# Altium PCB AudioBoxAmp.PcbDoc (part 1 of 2)
Units mil, origin at the board's own origin, x right, y up, seen from the top; angles counter-clockwise.
Board outline 3622 x 3543 mil, 4 copper layers (Top Layer, GND_2, VCC_3, Bottom Layer), stack 23.756 mil thick; 198 components, 124 nets, 577 pads, 120 vias.
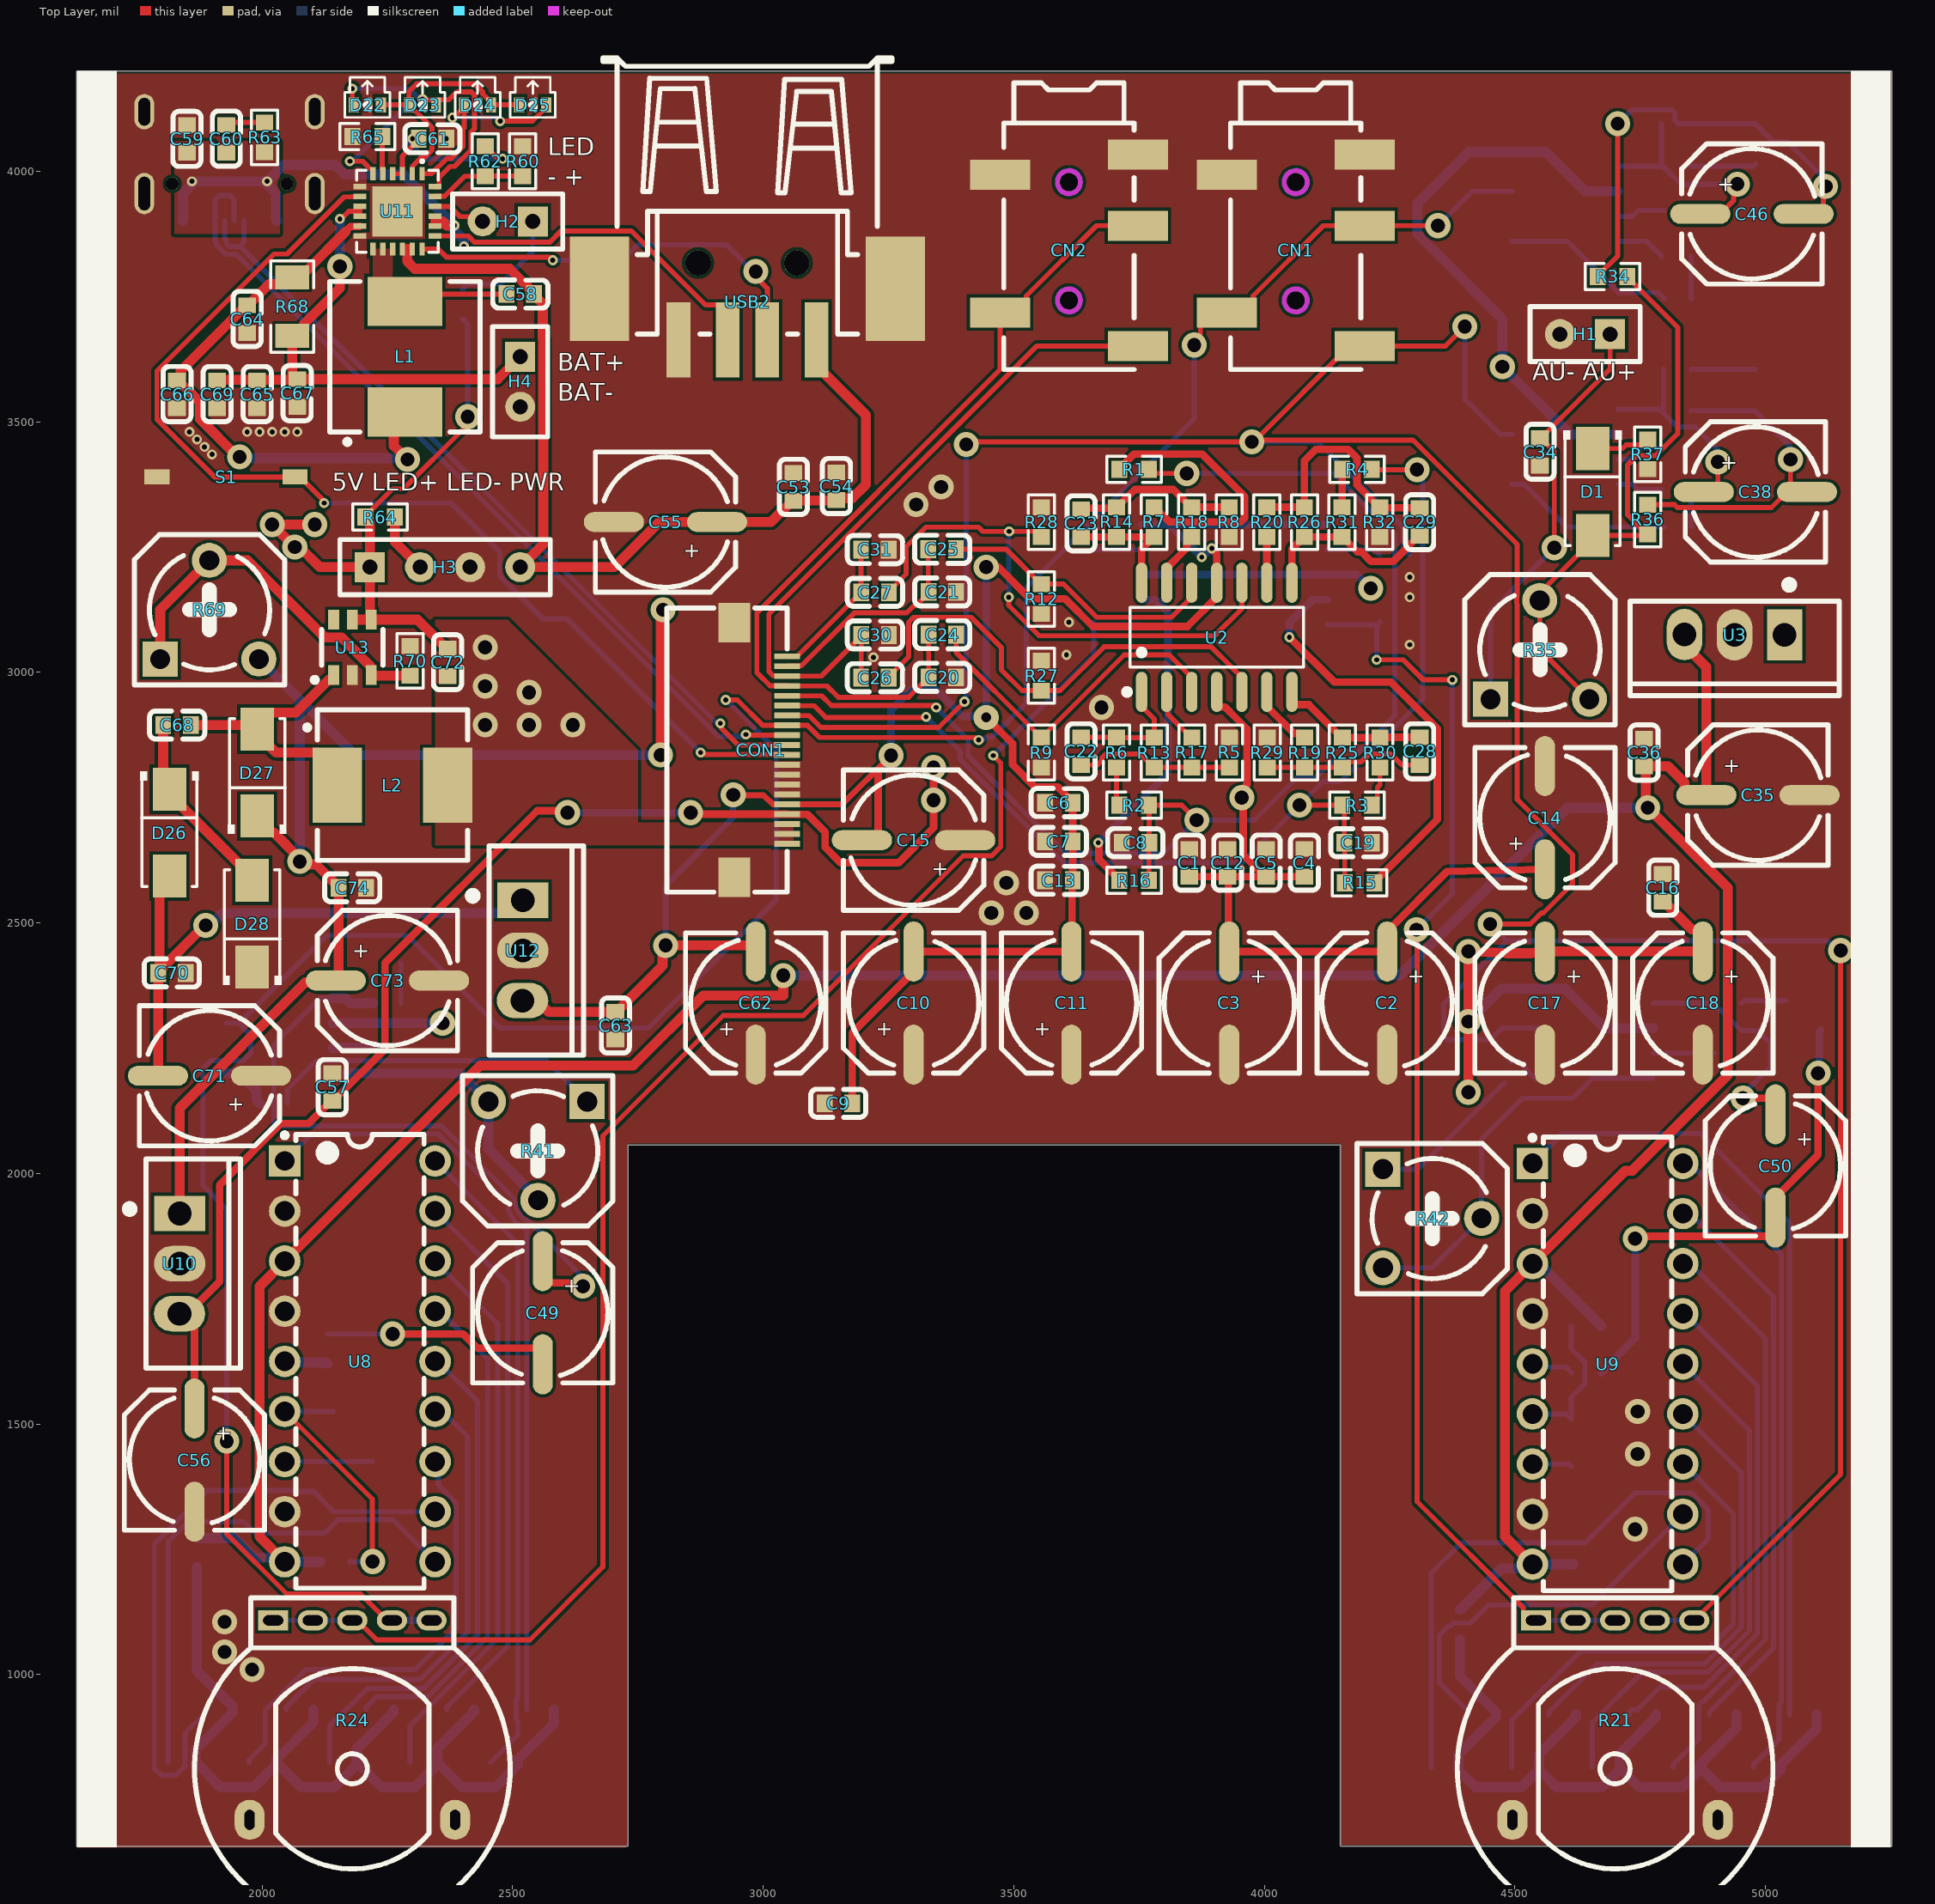
[diagram p0: Top Layer view]
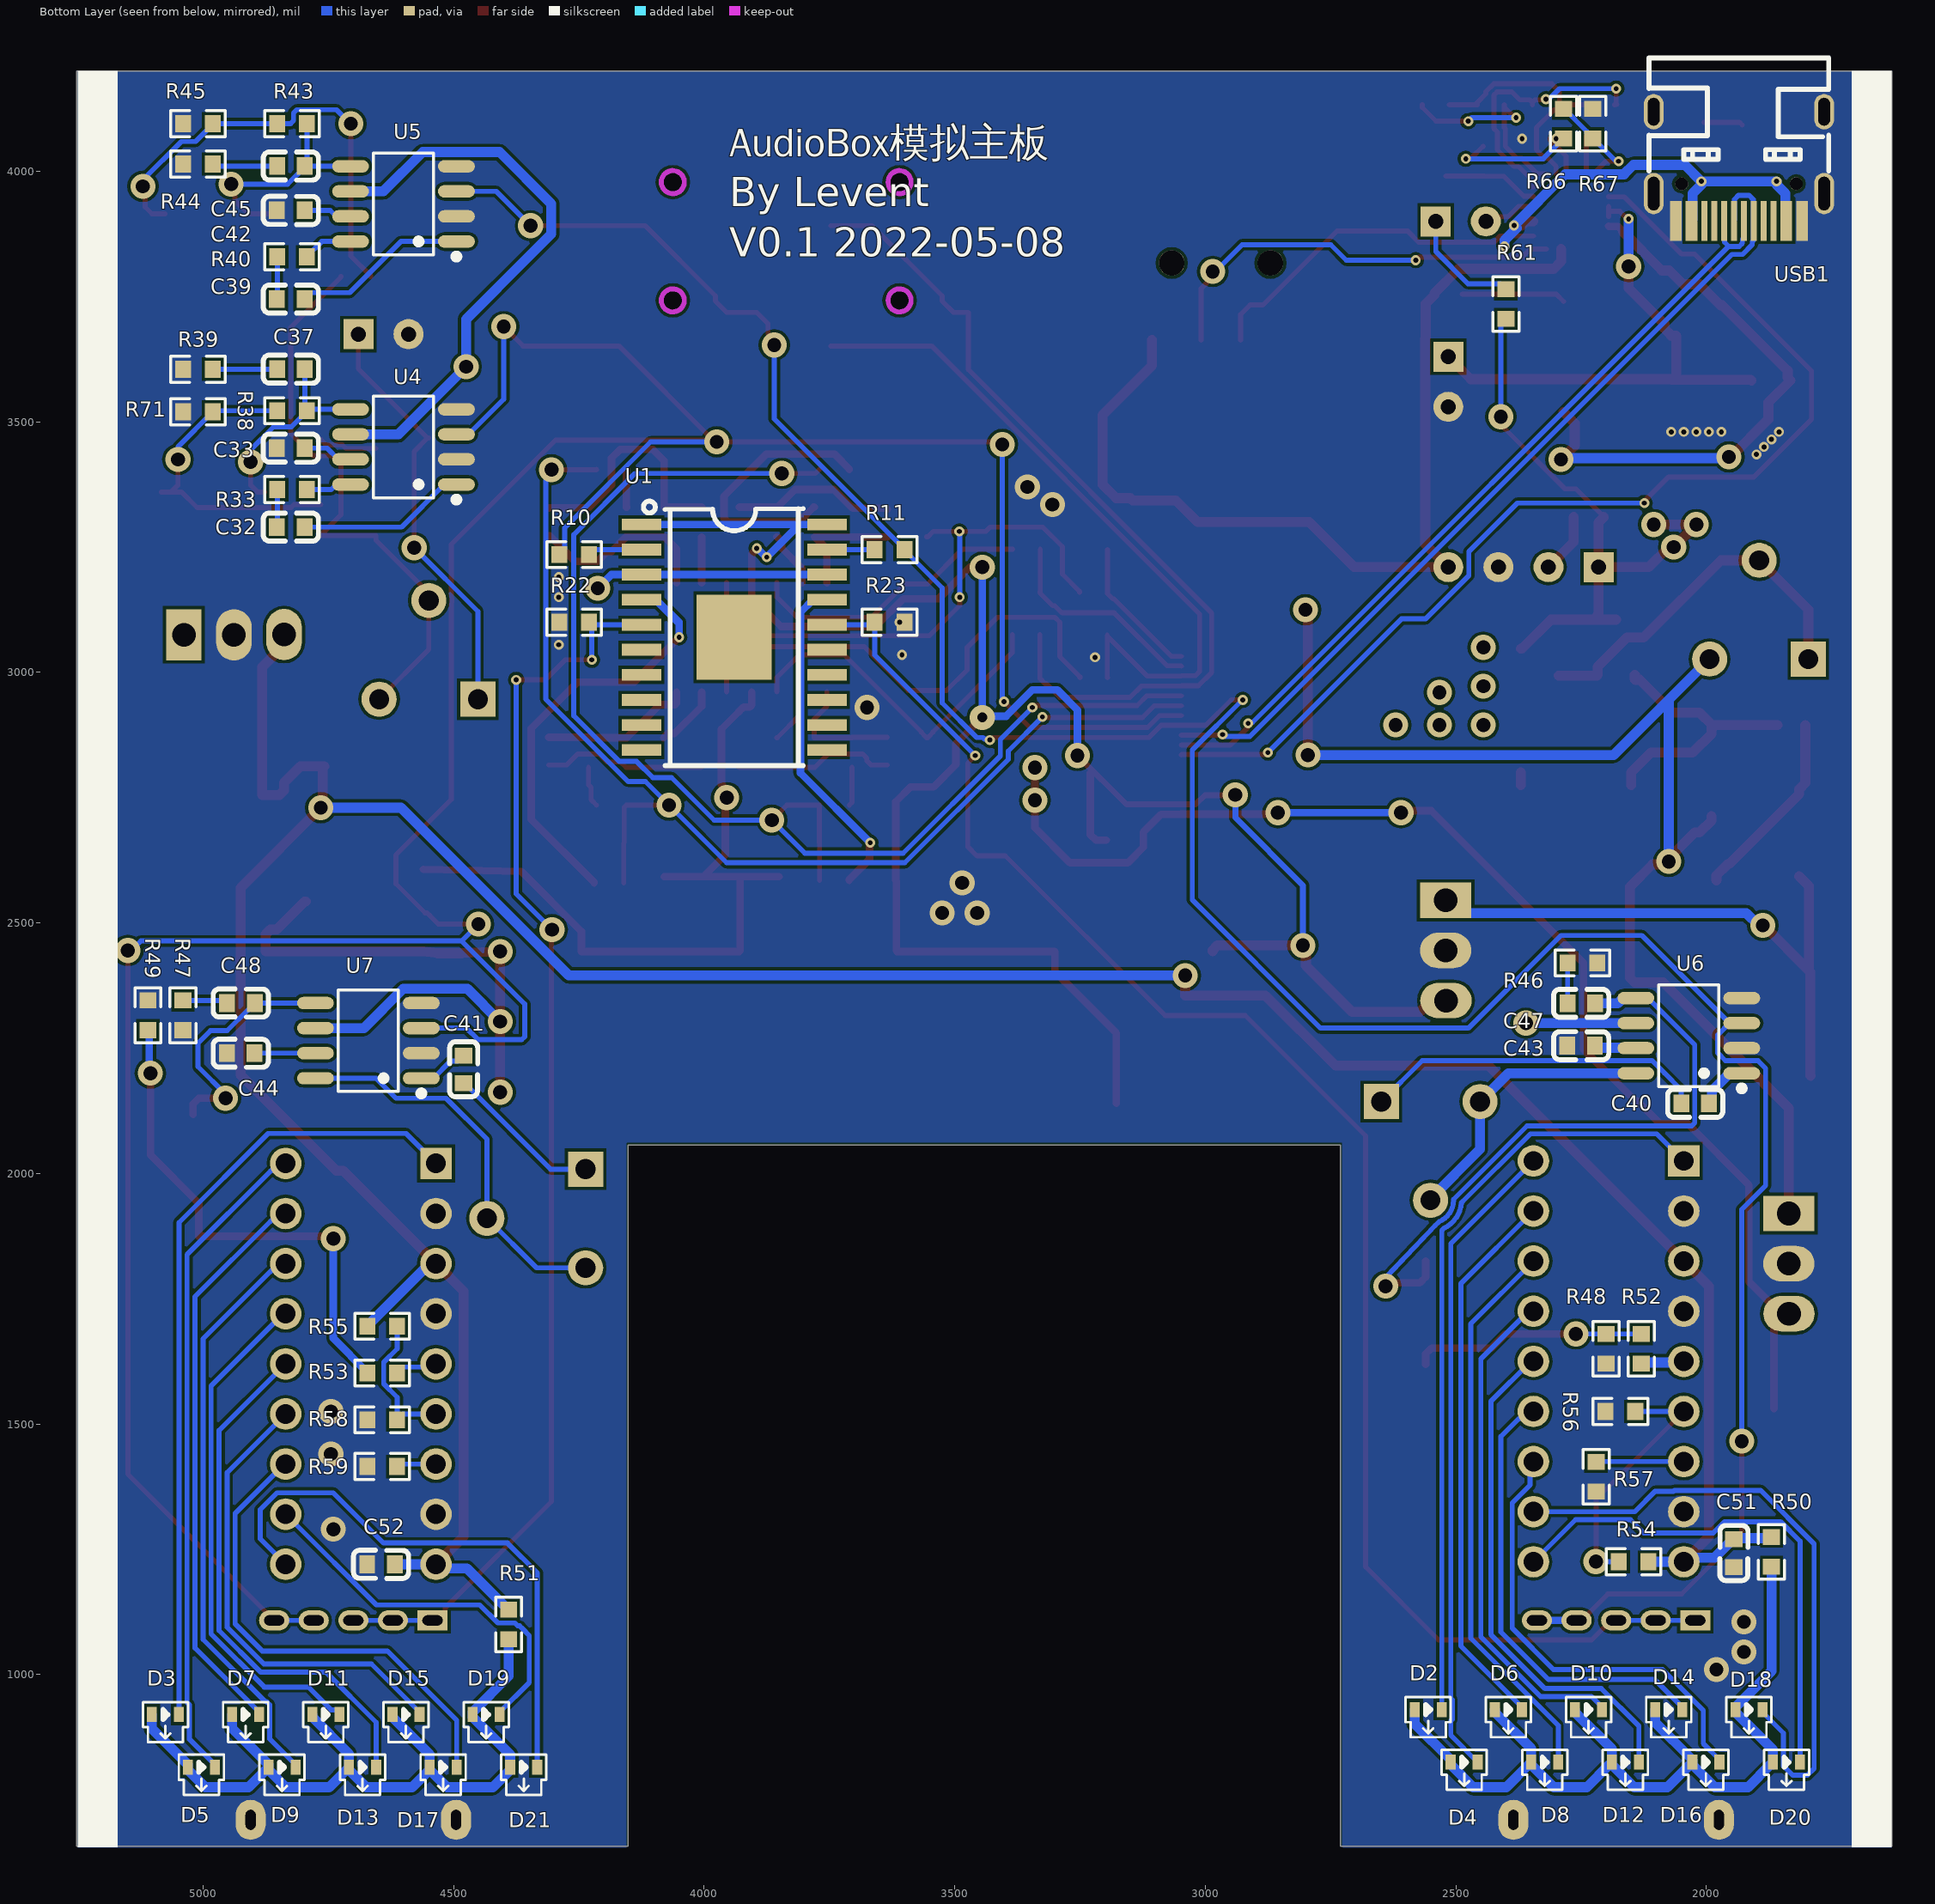
[diagram p1: Bottom Layer view, seen from below]
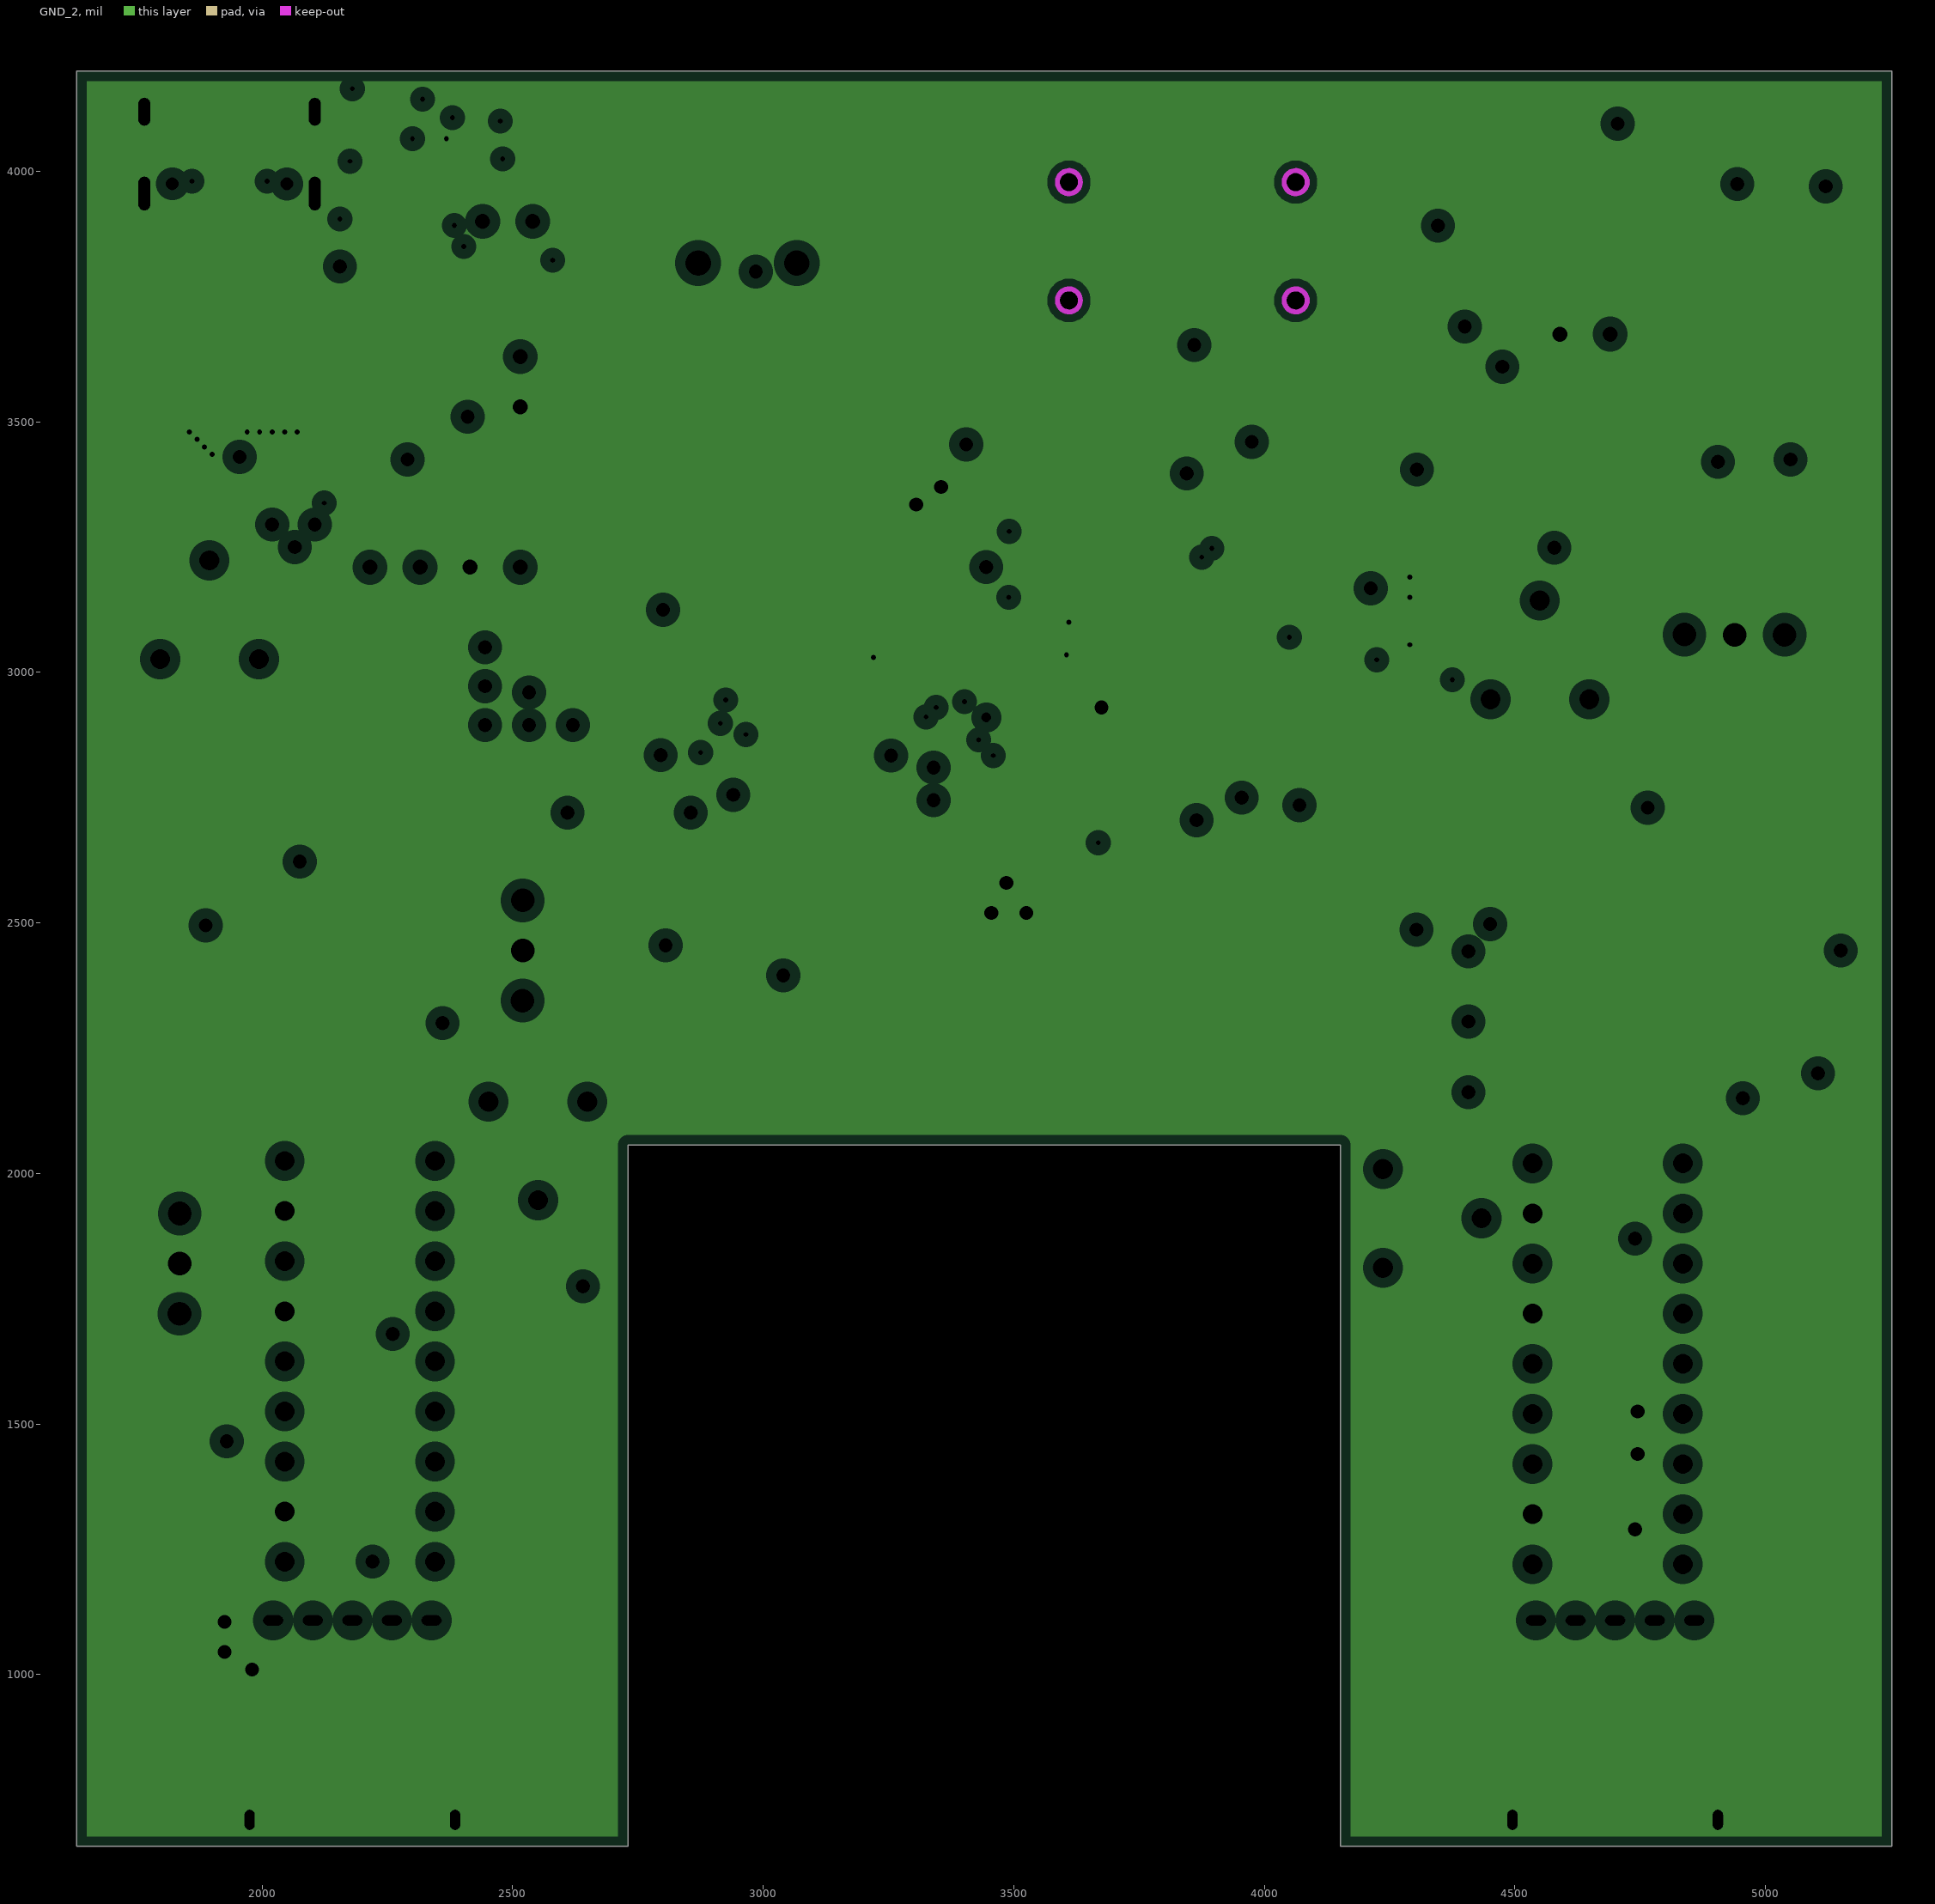
[diagram p2: GND_2, clearances drawn from the general rule]
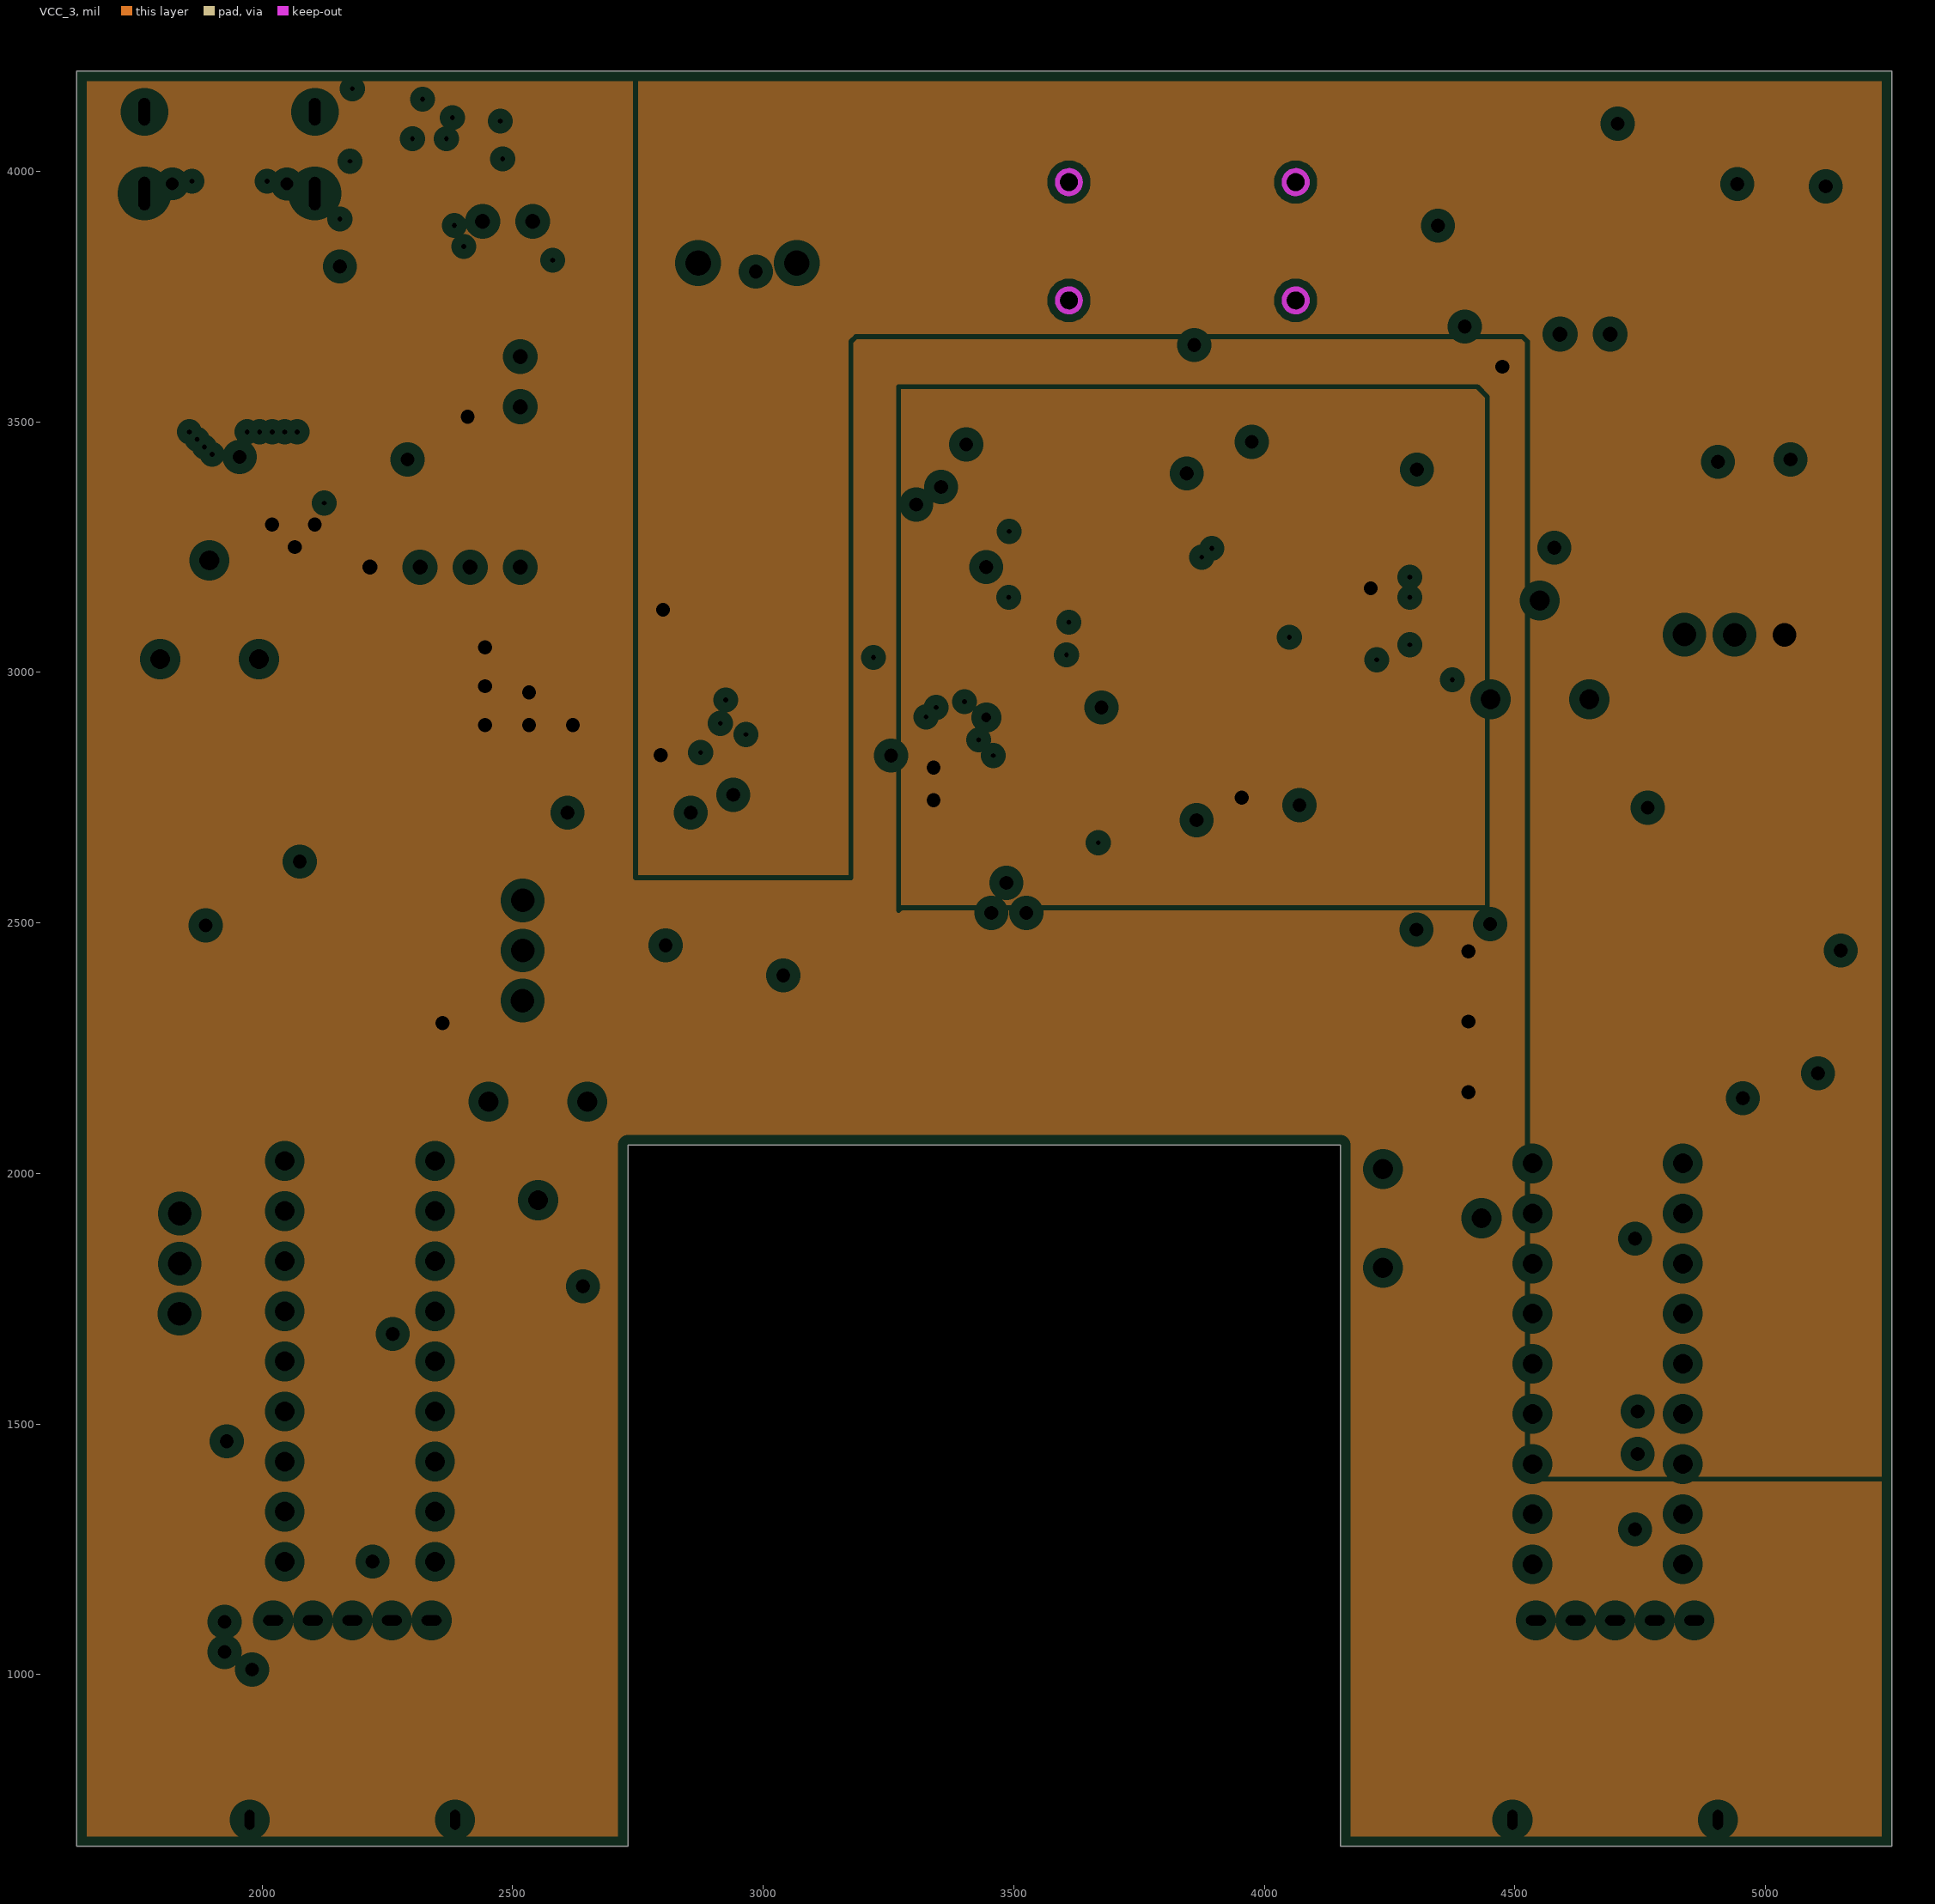
[diagram p3: VCC_3, clearances drawn from the general rule]
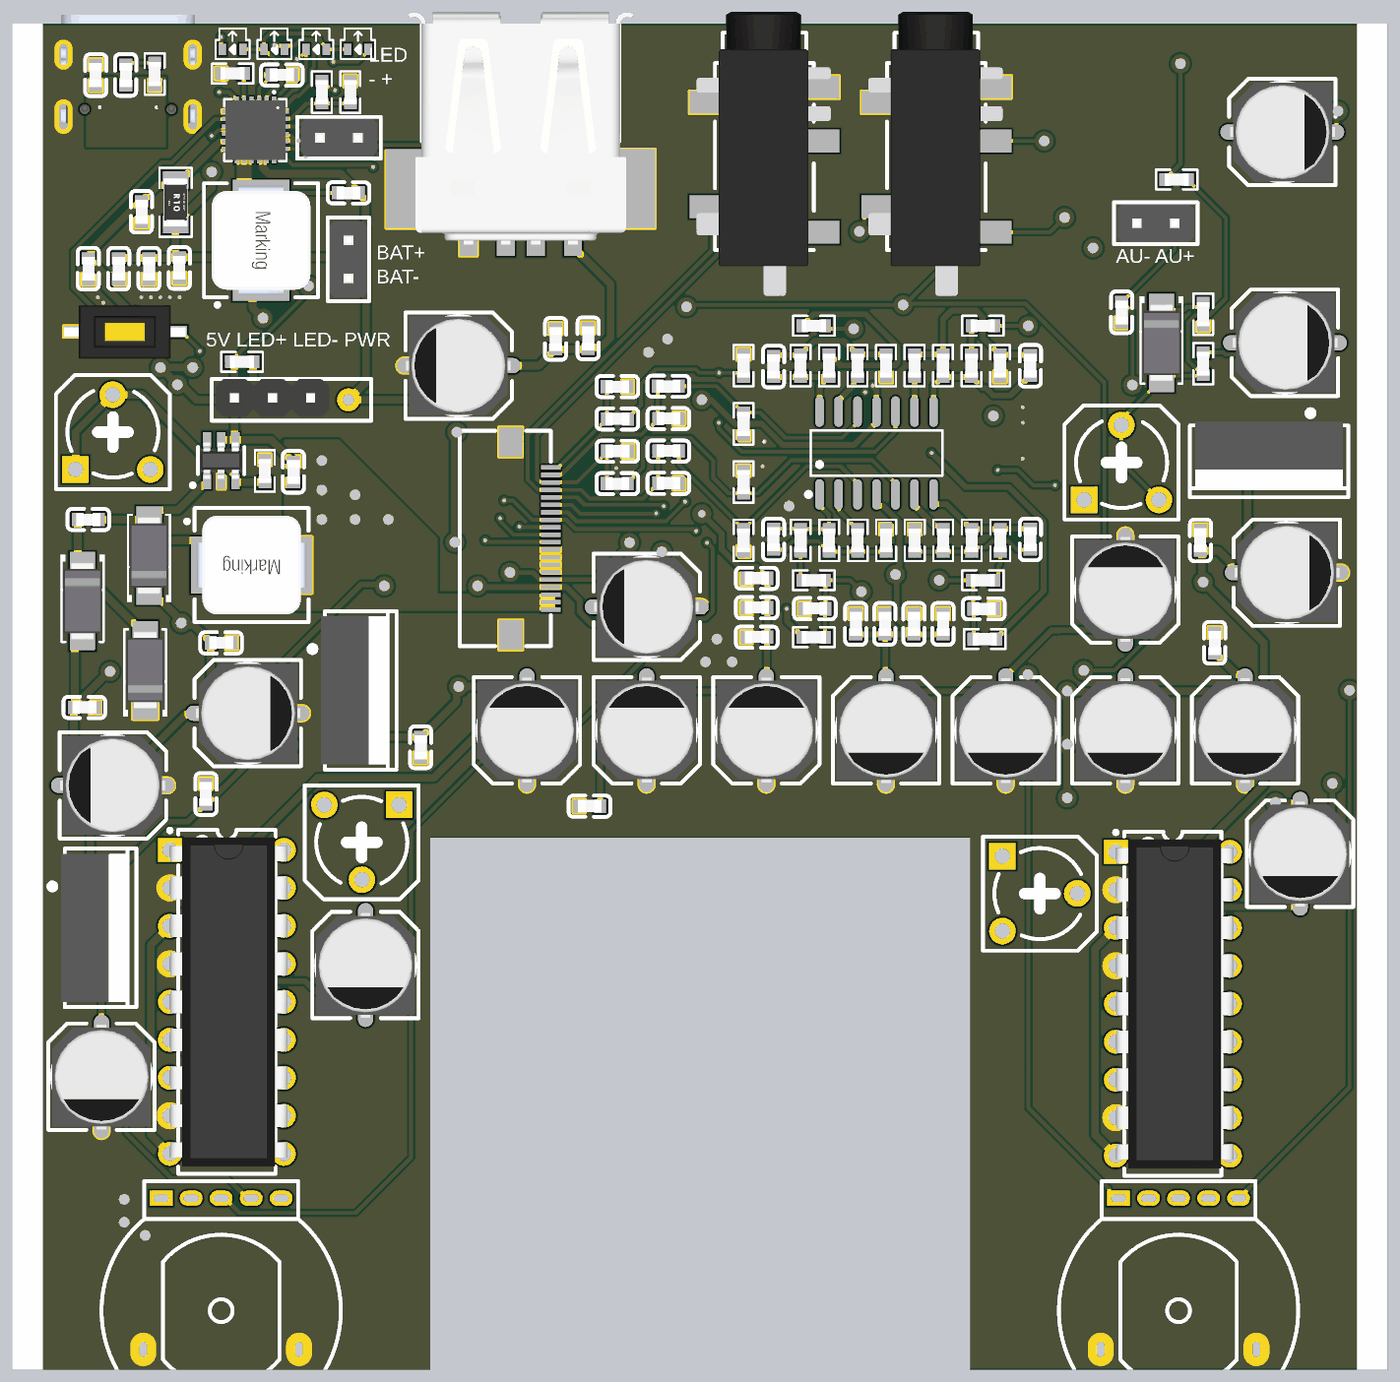
[diagram p5: 3D render of the assembled board from above, using the file's embedded part models]